# Altium PCB Left_PCB.PcbDoc (continued)
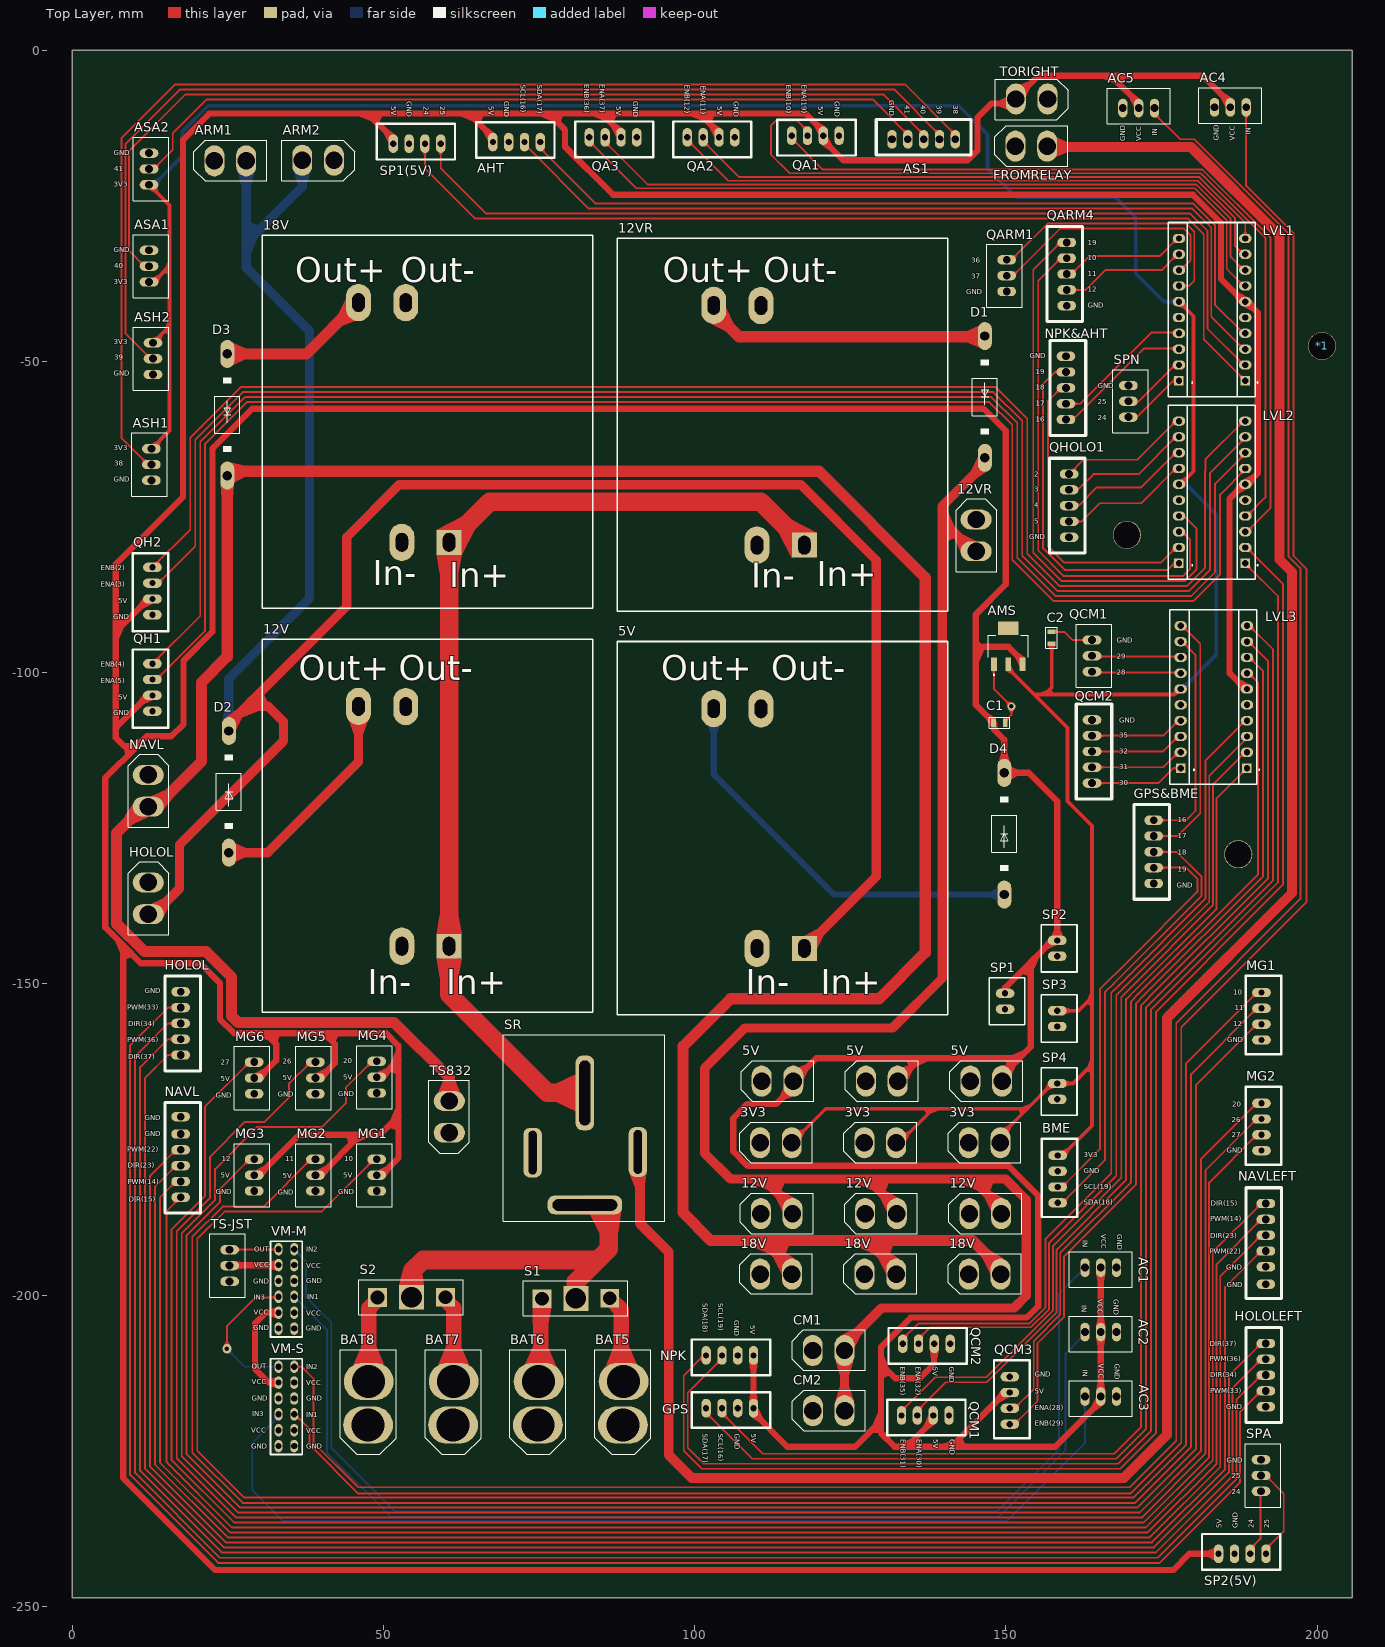
[diagram p0: Top Layer view]
## Nets (pads, with @x,y where several pads share a name; then routed paths per layer and width w, separated by ;. In a path a pad name is that pad's centre, name@x,y a point inside that pad or via, vN(x,y) a via of type N, cw(c..) or ccw(c..) an arc to the next point about the centre after c; other vN are vias at no path point) (continued)
  Bottom Layer w1.5: D2.C 25.152,-100.964 38.106,-88.01 38.106,-45.084 27.925,-34.903 27.925,-30.935 ; ARM1.1 27.925,-30.935 ; ARM2.1 36.943,-21.917 27.925,-30.935
18V-I/P: 18V.4 D3.A | length 24.5
  Top Layer w1.8: D3.A 37.598,-48.767 45.853,-40.512 18V.4
18V-O/P: 18V.1@115.616,-196.615 18V.1@132.38,-196.615 18V.1@149.144,-196.615 D3.C NAVL.1@12.2,-121.517 TS832.1 | length 473.5
  Top Layer w1.8: D3.C 24.88,-68.343 24.88,-97.42 20.73,-101.57 20.73,-114.276 14.189,-120.817 14.179,-120.817 13.479,-121.517 12.2,-121.517 11.3,-121.517 7.09,-125.727 7.09,-140.326 11.572,-144.808 21.492,-144.808 25.59,-148.906 25.59,-155.116 26.644,-156.17 51.7,-156.17 60.566,-165.036 TS832.1 ; D3.C@24.898,-67.823 25.105,-67.616 119.947,-67.616 137.026,-84.695 137.026,-144.974 129.61,-152.39 105.73,-152.39 98.1,-160.02 98.1,-186.739 102.561,-191.2 111.101,-191.2 ; 18V.1@115.616,-196.615 115.616,-195.715 111.101,-191.2 ; 18V.1@132.38,-196.615 132.38,-195.715 127.865,-191.2 ; 18V.1@149.144,-196.615 149.144,-195.715 144.629,-191.2 127.865,-191.2 ; 111.101,-191.2 127.865,-191.2
22I: LVL2.LV1 QHOLO1.1 | length 20.7
  Top Layer w0.3: QHOLO1.1 162.439,-65.785 171.075,-65.785 LVL2.LV1@177.298,-59.562
22O: LVL2.HV1 QH2.4 | length 243.3
  Top Layer w0.3: QH2.4 18.942,-76.984 18.942,-62.216 27.057,-54.101 148.33,-54.101 153.422,-59.193 153.422,-80.851 158.651,-86.08 179.078,-86.08 182.01,-83.148 182.01,-67.562 182.058,-67.514 182.058,-65.71 LVL2.HV1@188.333,-59.435
23I: LVL2.LV2 QHOLO1.2 | length 20.7
  Top Layer w0.3: QHOLO1.2 160.378,-70.386 161.775,-70.386 164.09,-68.071 171.329,-68.071 LVL2.LV2@177.298,-62.102
23O: LVL2.HV2 QH2.3 | length 244
  Top Layer w0.3: QH2.3 13.803,-85.597 19.742,-79.658 19.742,-62.547 27.388,-54.901 147.999,-54.901 152.622,-59.524 152.622,-81.183 158.319,-86.88 179.409,-86.88 182.81,-83.479 182.81,-67.893 LVL2.HV2@188.728,-61.975
24I: LVL2.LV3 QHOLO1.3 | length 20.7
  Top Layer w0.3: QHOLO1.3 160.315,-72.989 161.839,-72.989 164.598,-70.23 171.71,-70.23 LVL2.LV3@177.298,-64.642
24O: LVL2.HV3 QH1.4 | length 253.7
  Top Layer w0.3: QH1.4 20.542,-90.878 20.542,-62.879 27.72,-55.701 147.668,-55.701 151.822,-59.855 151.822,-81.514 157.988,-87.68 179.74,-87.68 183.61,-83.81 183.61,-69.633 LVL2.HV3@188.601,-64.642
25I: LVL2.LV4 QHOLO1.4 | length 20.7
  Top Layer w0.3: QHOLO1.4 162.185,-75.691 165.106,-72.77 171.71,-72.77 LVL2.LV4@177.298,-67.182
25O: LVL2.HV4 QH1.3 | length 254.2
  Top Layer w0.3: QH1.3 13.468,-101.091 21.342,-93.217 21.342,-63.21 28.051,-56.501 147.336,-56.501 151.022,-60.187 151.022,-81.846 157.656,-88.48 180.072,-88.48 184.41,-84.142 184.41,-71.373 LVL2.HV4@188.728,-67.055
30I: LVL2.LV5 QARM1.1 | length 92.3
  Top Layer w0.3: QARM1.1@160.026,-30.352 159.276,-30.352 154.387,-35.241 154.387,-80.685 158.982,-85.28 178.746,-85.28 180.638,-83.388 180.638,-76.872 178.798,-75.032 178.036,-75.032 LVL2.LV5
30O: LVL2.HV5 QA1.3 | length 143.1
  Top Layer w0.3: QA1.3 118.116,-12.965 116.46,-11.309 113.029,-11.309 112.25,-12.088 112.25,-16.73 115.27,-19.75 181.337,-19.75 191.685,-30.098 191.685,-71.823 188.833,-74.675 LVL2.HV5@188.728,-74.675
31I: LVL2.LV6 QARM1.2 | length 83.5
  Top Layer w0.3: QARM1.2@160.026,-32.892 159.276,-32.892 155.187,-36.981 155.187,-80.354 159.313,-84.48 178.415,-84.48 179.584,-83.311 179.584,-78.612 178.314,-77.342 LVL2.LV6
31O: LVL2.HV6 QA1.4 | length 132.7
  Top Layer w0.3: QA1.4 115.576,-14.14 116.287,-14.851 120.586,-19.15 181.586,-19.15 192.485,-30.049 192.485,-73.563 188.833,-77.215 LVL2.HV6@188.728,-77.215
32I: LVL1.LV1 QARM1.3 | length 19.9
  Top Layer w0.3: QARM1.3@160.026,-35.432 161.042,-35.432 163.455,-33.019 174.762,-33.019 177.556,-30.225 LVL1.LV1
32O: LVL1.HV1 QA2.3 | length 95.5
  Top Layer w0.3: QA2.3 101.352,-14.582 107.12,-20.35 181.089,-20.35 188.456,-27.717 188.456,-29.671 188.728,-29.943 LVL1.HV1@188.728,-29.971
33I: LVL1.LV2 QARM1.4 | length 20.4
  Top Layer w0.3: QARM1.4 162.82,-38.48 165.995,-35.305 175.016,-35.305 177.556,-32.765 LVL1.LV2
33O: LVL1.HV2 QA2.4 | length 100.3
  Top Layer w0.3: QA2.4 98.812,-14.394 105.368,-20.95 180.84,-20.95 186.797,-26.907 186.797,-31.356 188.206,-32.765 LVL1.HV2
42I: LVL1.LV3 QARM4.2 | length 39.7
  Top Layer w0.3: QARM4.2 150.304,-36.01 151.32,-36.01 158.712,-28.618 178.608,-28.618 179.67,-29.68 179.67,-33.694 178.059,-35.305 LVL1.LV3
42O: LVL1.HV3 QA3.3 | length 115.7
  Top Layer w0.3: QA3.3 85.604,-14.719 92.435,-21.55 180.592,-21.55 186.09,-27.048 186.09,-33.189 188.206,-35.305 LVL1.HV3
43I: LVL1.LV4 QARM4.1 | length 43.8
  Top Layer w0.3: QARM4.1 150.87,-33.654 156.706,-27.818 178.955,-27.818 180.27,-29.133 180.27,-37.032 179.457,-37.845 LVL1.LV4
43O: LVL1.HV4 QA3.4 | length 120.2
  Top Layer w0.3: QA3.4 83.064,-14.614 90.6,-22.15 180.343,-22.15 185.49,-27.297 185.49,-35.129 188.206,-37.845 LVL1.HV4
44I: LVL3.LV4 QCM1.1@163.836,-99.821 | length 14.3
  Top Layer w0.3: QCM1.1@163.836,-99.821 163.963,-99.948 177.951,-99.948 LVL3.LV4
44O: LVL3.HV4 QCM3.3 | length 136
  Top Layer w0.3: QCM3.3 151.378,-218.185 154.47,-215.093 154.47,-207.374 158.74,-203.104 158.74,-193.208 170.123,-181.825 170.123,-152.774 171.38,-151.517 171.38,-151.506 190.517,-132.369 190.517,-101.614 188.978,-100.075 LVL3.HV4
45I: LVL3.LV3 QCM1.2@163.836,-97.281 | length 14.3
  Top Layer w0.3: QCM1.2@163.836,-97.281 163.963,-97.408 177.951,-97.408 LVL3.LV3
45O: LVL3.HV3 QCM3.4 | length 141.8
  Top Layer w0.3: QCM3.4 151.378,-220.725 155.073,-217.03 155.073,-207.761 159.34,-203.494 159.34,-193.74 170.923,-182.157 170.923,-153.106 172.18,-151.849 172.18,-151.837 191.317,-132.7 191.317,-99.743 189.109,-97.535 LVL3.HV3
46I: LVL3.LV8 QCM2.1@163.836,-117.728 | length 15.2
  Top Layer w0.3: QCM2.1@163.836,-117.728 174.504,-117.728 176.917,-115.315 LVL3.LV8
46O: LVL3.HV8 QCM1.3@135.769,-219.328 | length 129.4
  Top Layer w0.3: QCM1.3@135.769,-219.328 135.769,-218.578 140.353,-213.994 146.888,-213.994 158.14,-202.742 158.14,-192.677 169.323,-181.494 169.323,-152.443 170.58,-151.186 170.58,-151.174 183.86,-137.894 183.86,-120.183 LVL3.HV8@188.474,-115.569
47I: LVL3.LV7 QCM2.2@163.836,-115.188 | length 15.2
  Top Layer w0.3: QCM2.2@163.836,-115.188 175.266,-115.188 177.679,-112.775 LVL3.LV7
47O: LVL3.HV7 QCM1.4 | length 134.1
  Top Layer w0.3: QCM1.4 133.229,-218.578 138.613,-213.194 146.84,-213.194 157.54,-202.494 157.54,-192.122 168.523,-181.139 168.523,-152.111 169.78,-150.854 169.78,-150.843 183.26,-137.363 183.26,-117.993 188.086,-113.167 188.202,-113.283 LVL3.HV7@188.474,-113.283
48I: LVL3.LV6 QCM2.3@163.836,-112.648 | length 15.2
  Top Layer w0.3: QCM2.3@163.836,-112.648 175.266,-112.648 177.679,-110.235 LVL3.LV6
48O: LVL3.HV6 QCM2.3@135.96,-207.82 | length 127.6
  Top Layer w0.3: QCM2.3@135.896,-206.882 136.148,-206.882 137.87,-205.16 154.025,-205.16 156.94,-202.245 156.94,-191.591 167.723,-180.808 167.723,-151.78 168.98,-150.523 168.98,-150.511 182.66,-136.831 182.66,-116.557 188.248,-110.969 188.248,-110.789 188.295,-110.743 LVL3.HV6@188.474,-110.743
49I: LVL3.LV5 QCM2.4@163.836,-110.108 | length 15.2
  Top Layer w0.3: QCM2.4@163.836,-110.108 175.266,-110.108 177.679,-107.695 LVL3.LV5
49O: LVL3.HV5 QCM2.4@133.42,-207.82 | length 132.5
  Top Layer w0.3: QCM2.4@133.356,-206.882 133.608,-206.882 135.93,-204.56 153.777,-204.56 156.34,-201.997 156.34,-191.01 166.923,-180.427 166.923,-151.449 168.18,-150.192 168.18,-150.18 182.06,-136.3 182.06,-114.113 188.086,-108.087 188.202,-108.203 LVL3.HV5@188.474,-108.203
A0: AS1.1 ASH1.2 | length 196.4
  Top Layer w0.3: ASH1.2 12.198,-66.547 7.88,-62.229 7.88,-14.096 16.516,-5.46 133.784,-5.46 141.865,-13.541 AS1.1
A1: AS1.2 ASH2.2 | length 174.7
  Top Layer w0.3: ASH2.2 12.535,-49.529 11.846,-48.84 11.846,-48.796 8.52,-45.47 8.52,-15.107 17.354,-6.273 132.058,-6.273 139.325,-13.541 AS1.2
A2: AS1.3 ASA1.2 | length 155.1
  Top Layer w0.3: ASA1.2 11.69,-34.67 11.575,-34.67 9.12,-32.215 9.12,-16.135 18.182,-7.073 130.317,-7.073 136.785,-13.541 AS1.3
A3: AS1.4 ASA2.2 | length 131.2
  Top Layer w0.3: ASA2.2 13.075,-19.049 16.135,-15.989 16.135,-13.305 21.567,-7.873 128.577,-7.873 134.245,-13.541 AS1.4
A10,24: SP2(5V).3 SPA.1 | length 10.8
  Top Layer w0.3: 189.256,-241.555 189.256,-240.805 190.887,-239.174 190.887,-231.615 SPA.1
A11,25: SP2(5V).4 SPA.2 | length 15.7
  Top Layer w0.3: SPA.2 191.737,-228.975 194.65,-231.888 194.65,-237.906 191.796,-240.76 191.796,-241.555
AVCC: TS-JST.2 VM-M.8 | length 8
  Top Layer w1: TS-JST.2@25.34,-195.32 TS-JST.2 25.31,-195.21 33.1,-195.21 VM-M.8
BAT5: BAT5.1 S1.1 | length 14.3
  Top Layer w2.5: S1.1 86.729,-200.87 86.729,-200.883 88.192,-202.346 88.192,-213.504 BAT5.1
BAT6: BAT6.1 S1.3 | length 13.5
  Top Layer w2.5: BAT6.1 75.253,-213.538 75.253,-200.78 S1.3
BAT7: BAT7.1 S2.1 | length 14.1
  Top Layer w2.5: S2.1 60.194,-200.585 60.194,-200.989 61.268,-202.063 BAT7.1
BAT8: BAT8.1 S2.3 | length 14.1
  Top Layer w2.5: BAT8.1 47.652,-213.843 47.652,-202.104 48.794,-200.962 48.794,-200.635 S2.3
BVCC: VM-M.11 VM-S.8 | length 16.5
  Top Layer w1: VM-S.8 31.54,-214.05 29.37,-211.88 29.37,-204.51 31.06,-202.82 VM-M.11
D2: S1.2 S2.2 SR.2 | length 55.8
  Top Layer w3: S2.2 54.626,-200.203 54.626,-196.103 56.384,-194.346 84.423,-194.346 ; S1.2 80.921,-197.847 84.423,-194.346 ; SR.2 86.18,-185.51 86.18,-192.588 84.423,-194.346
DH(14): HOLOL.3 HOLOLEFT.3 | length 283.4
  Top Layer w0.3: HOLOL.3 15.373,-156.336 10.084,-161.625 10.084,-228.553 23.718,-242.187 174.39,-242.187 187.03,-229.547 187.03,-216.827 191.011,-212.846 HOLOLEFT.3
DH(36): HOLOL.1@17.405,-161.416 HOLOLEFT.1 | length 278
  Top Layer w0.3: HOLOL.1@17.405,-161.416 15.373,-161.416 11.684,-165.105 11.684,-227.891 24.323,-240.53 173.784,-240.53 185.83,-228.484 185.83,-212.947 191.011,-207.766 HOLOLEFT.1
DN(3): NAVL.1@17.405,-184.276 NAVLEFT.1 | length 265.6
  Top Layer w0.3: NAVL.1@17.405,-184.276 15.119,-186.562 15.119,-226.8 25.649,-237.33 172.458,-237.33 183.24,-226.548 183.24,-193.058 191.011,-185.287 NAVLEFT.1
DN(5): NAVL.3 NAVLEFT.3 | length 271.6
  Top Layer w0.3: NAVL.3 16.655,-179.196 13.284,-182.567 13.284,-227.228 24.986,-238.93 173.121,-238.93 184.44,-227.611 184.44,-196.938 191.011,-190.367 NAVLEFT.3
GND: 3V3.2 5V.2 5V.3 12V.2 12V.3 12VR.2 12VR.3 18V.2 18V.3 AC1.3 AC2.3 AC3.3 AC4.3 AC5.3 AHT.2 AMS.1 ARM1.2 ARM2.2 AS1.5 ASA1.3 ASA2.3 ASH1.3 ASH2.3 BAT5.2 BAT6.2 BAT7.2 BAT8.2 BME.2 C1.2 C2.2 CM1.2 CM2.2 FROMRELAY.2 GPS&BME.5 GPS.2 HOLOL.2@12.2,-133.689 HOLOL.5 HOLOLEFT.5 LVL1.GND LVL2.GND LVL3.GND MG1.3@48.901,-183.26 MG1.4 MG2.3@39.058,-183.26 MG2.4 MG3.3 MG4.3 MG5.3 MG6.3 NAVL.2@12.2,-116.417 NAVL.5 NAVL.6 NAVLEFT.5 NAVLEFT.6 NPK&AHT.5 NPK.2 QA1.1 QA2.1 QA3.1 QARM1.5 QARM4.3 QCM1.1@140.849,-219.328 QCM1.3@163.836,-94.741 QCM2.1@141.04,-207.82 QCM2.5 QCM3.1 QH1.1 QH2.1 QHOLO1.5 SP1(5V).2 SP1.2 SP2(5V).2 SP2.2 SP3.2 SP4.2 SPA.3 SPN.3 SR.4 TORIGHT.2 TS832.2 TS-JST.3 VM-M.6 VM-M.9 VM-M.12 VM-S.3 VM-S.6 VM-S.9 VM-S.12 | length 18
  Top Layer w0.3: AMS.1 148.074,-102.601 v2(150.882,-105.409) 150.882,-106.785 149.91,-107.757 C1.2 ; C2.2 159.404,-93.427 160.718,-94.741 QCM1.3@163.836,-94.741
INA1: AC2.1 VM-M.4 | length 174.9
  Bottom Layer w0.3: VM-M.4 35.64,-200.388 36.17,-200.918 36.288,-200.918 40.914,-205.544 40.914,-225.314 51.2,-235.6 148.88,-235.6 159.6,-224.88 159.6,-209.393 161.955,-207.038 162.011,-207.038 162.694,-206.355 AC2.1
INA2: AC1.1 VM-M.1 | length 191.1
  Top Layer w0.254: VM-M.1 35.64,-192.73 VM-M.1@35.72,-192.81
  Bottom Layer w0.3: VM-M.1 35.64,-192.738 37.55,-194.648 37.55,-200.35 41.593,-204.393 41.593,-224.523 51.81,-234.74 148.61,-234.74 158.53,-224.82 158.53,-199.743 161.77,-196.503 162.14,-196.503 162.694,-195.948 AC1.1
INB1: AC3.1 VM-S.10 | length 162.4
  Bottom Layer w0.3: VM-S.10 33.14,-219.525 28.91,-223.755 28.91,-231.36 33.82,-236.27 150.196,-236.27 162.678,-223.788 162.678,-216.296 AC3.1
INB2: AC5.1 VM-S.1 | length 392.3
  Top Layer w0.3: VM-S.1 36.85,-211.5 38.75,-213.4 38.75,-223.7 45.919,-230.869 169.868,-230.869 177.363,-223.374 177.363,-156.297 197.32,-136.34 197.32,-83.189 195.385,-81.254 195.385,-29.414 180.241,-14.27 177.98,-14.27 173.869,-10.159 AC5.1
INB3: AC4.1 VM-S.4 | length 379.5
  Top Layer w0.3: VM-S.4@35.72,-219.15 38.11,-221.54 38.11,-224.06 45.929,-231.879 169.99,-231.879 178.163,-223.706 178.163,-156.967 198.27,-136.86 198.27,-83.29 196.221,-81.241 196.221,-29.401 188.601,-21.781 AC4.1
OUTA: TS-JST.1 VM-M.7 | length 7.9
  Top Layer w0.3: TS-JST.1 25.315,-192.665 33.095,-192.665 VM-M.7
OUTB: VM-M.10 VM-S.7 | length 23.5
  Top Layer w0.3: v1(24.84,-208.62) 24.84,-204.97 29.46,-200.35 33.06,-200.35 VM-M.10
  Bottom Layer w0.3: v1(24.84,-208.62) 27.72,-211.5 VM-S.7@33.22,-211.5
PH(15): HOLOL.4 HOLOLEFT.4 | length 286
  Top Layer w0.3: HOLOL.4 15.373,-153.796 9.284,-159.885 9.284,-228.885 23.419,-243.02 174.688,-243.02 187.63,-230.078 187.63,-218.767 191.011,-215.386 HOLOLEFT.4
PH(37): HOLOL.2@17.405,-158.876 HOLOLEFT.2 | length 280.7
  Top Layer w0.3: HOLOL.2@17.405,-158.876 15.373,-158.876 10.884,-163.365 10.884,-228.222 23.993,-241.331 174.114,-241.331 186.43,-229.015 186.43,-214.887 191.011,-210.306 HOLOLEFT.2
PMG(10): MG1.1 | length 311.8
  Top Layer w0.3: MG1.1@48.901,-178.18 48.476,-178.18 40.094,-186.562 24.47,-186.562 20.072,-190.96 20.072,-224.965 27.637,-232.53 170.47,-232.53 178.963,-224.037 178.963,-162.731 190.317,-151.378 MG1.1@191.067,-151.378
PMG(11): MG1.2@191.067,-153.918 MG2.1@39.058,-178.18 | length 302.8
  Top Layer w0.3: MG2.1@39.058,-178.18 38.309,-178.18 30.726,-185.762 24.139,-185.762 19.272,-190.629 19.272,-225.296 27.355,-233.379 170.753,-233.379 179.763,-224.369 179.763,-164.471 190.317,-153.918 MG1.2@191.067,-153.918
PMG(12): MG1.3@191.067,-156.458 MG3.1 | length 295
  Top Layer w0.3: MG3.1 28.466,-178.18 23.742,-182.904 23.742,-185.028 18.37,-190.4 18.37,-225.526 26.974,-234.13 171.133,-234.13 180.563,-224.7 180.563,-166.211 190.317,-156.458 MG1.3@191.067,-156.458
PMG(20): MG2.1@191.067,-169.158 MG4.1 | length 314.9
  Top Layer w0.3: MG4.1 48.151,-162.432 43.948,-166.635 43.948,-169.163 40.138,-172.973 29.724,-172.973 22.942,-179.755 22.942,-184.696 17.57,-190.068 17.57,-225.857 26.643,-234.93 171.464,-234.93 181.363,-225.031 181.363,-178.111 190.317,-169.158 MG2.1@191.067,-169.158
PMG(26): MG2.2@191.067,-171.698 MG5.1 | length 306.6
  Top Layer w0.3: MG5.1 38.309,-162.559 34.804,-166.064 34.804,-168.256 30.887,-172.173 27.73,-172.173 22.142,-177.761 22.142,-184.365 16.77,-189.737 16.77,-226.188 26.312,-235.73 171.796,-235.73 182.04,-225.486 182.04,-179.974 190.317,-171.698 MG2.2@191.067,-171.698
PMG(27): MG2.3@191.067,-174.238 MG6.1 | length 300.8
  Top Layer w0.3: MG6.1 28.466,-162.559 21.342,-169.683 21.342,-184.022 15.949,-189.415 15.949,-226.499 25.98,-236.53 172.127,-236.53 182.64,-226.017 182.64,-181.915 190.317,-174.238 MG2.3@191.067,-174.238
PN(2): NAVL.2@17.405,-181.736 NAVLEFT.2 | length 268.9
  Top Layer w0.3: NAVL.2@17.405,-181.736 16.655,-181.736 14.084,-184.307 14.084,-226.896 25.318,-238.13 172.79,-238.13 183.84,-227.08 183.84,-194.998 191.011,-187.827 NAVLEFT.2
PN(4): NAVL.4 NAVLEFT.4 | length 274.2
  Top Layer w0.3: NAVL.4 16.655,-176.656 12.484,-180.827 12.484,-227.559 24.655,-239.73 173.453,-239.73 185.23,-227.953 185.23,-198.688 191.011,-192.907 NAVLEFT.4
S-SW: FROMRELAY.1 SR.3 | length 380.3
  Top Layer w1.6: SR.3 91.18,-177.3 91.18,-188.44 95.83,-193.09 95.83,-225.69 99.489,-229.349 168.956,-229.349 175.848,-222.457 175.848,-155.5 195.967,-135.381 195.967,-83.819 193.935,-81.787 193.935,-29.731 179.764,-15.56 156.81,-15.56 FROMRELAY.1
SCL_AHT(19): LVL1.LV6 NPK&AHT.1 | length 22.4
  Top Layer w0.3: NPK&AHT.1 160.72,-59.308 161.072,-58.956 161.14,-58.956 172.218,-47.878 LVL1.LV6@177.298,-47.878
SCL_AHTO(19): AHT.3 LVL1.HV6 | length 138.2
  Top Layer w0.3: AHT.3 72.65,-15.156 73.333,-15.839 73.389,-15.839 82.968,-25.418 179.949,-25.418 182.99,-28.459 182.99,-42.775 188.22,-48.005 LVL1.HV6
SCL_BME(19): BME.3 GPS&BME.4 | length 67
  Top Layer w0.3: BME.3 159.01,-182.625 165.106,-176.529 165.106,-150.875 169.72,-146.261 180.78,-135.201 180.78,-133.1 178.997,-131.317 GPS&BME.4
SCL_DS1(16): LVL2.LV7 NPK&AHT.3 | length 49.7
  Top Layer w0.3: NPK&AHT.3 158.895,-54.228 156.787,-56.336 156.787,-79.691 159.391,-82.295 174.885,-82.295 LVL2.LV7@177.298,-79.882
SCL_DS1O(16): LVL2.HV8 NPK.3 | length 244.4
  Top Layer w0.3: NPK.3 104.373,-210.211 98.88,-215.704 98.88,-224.488 101.482,-227.09 168.033,-227.09 173.323,-221.8 173.323,-154.1 174.617,-152.806 174.617,-152.794 193.717,-133.694 193.717,-87.683 LVL2.HV8@188.728,-82.694
SCL_DS2(16): GPS&BME.1 LVL3.LV2 | length 35.6
  Top Layer w0.3: GPS&BME.1 178.949,-123.697 180.435,-122.211 180.435,-97.102 178.328,-94.995 LVL3.LV2
SCL_DSO(16): GPS.3 LVL3.HV2 | length 208.8
  Top Layer w0.3: GPS.3 104.373,-218.908 110.955,-225.49 167.37,-225.49 171.723,-221.137 171.723,-153.437 172.98,-152.18 172.98,-152.168 192.117,-133.031 192.117,-98.13 188.982,-94.995 LVL3.HV2
SDA_AHT(18): LVL1.LV5 NPK&AHT.2 | length 22.4
  Top Layer w0.3: NPK&AHT.2 161.931,-56.768 173.361,-45.338 LVL1.LV5@177.298,-45.338
SDA_AHTO(18): AHT.4 LVL1.HV5 | length 134
  Top Layer w0.3: AHT.4 75.19,-15.7 84.108,-24.618 180.124,-24.618 183.59,-28.084 183.59,-40.849 188.206,-45.465 LVL1.HV5
SDA_BME(18): BME.4 GPS&BME.3 | length 71.7
  Top Layer w0.3: BME.4 159.063,-185.165 165.906,-178.323 165.906,-151.334 167.38,-149.86 167.38,-149.849 181.43,-135.799 181.43,-132.8 177.407,-128.777 GPS&BME.3
SDA_DS1(17): LVL2.LV8 NPK&AHT.4 | length 54.2
  Top Layer w0.3: NPK&AHT.4 157.867,-51.688 155.987,-53.568 155.987,-80.022 159.441,-83.476 175.99,-83.476 LVL2.LV8@177.298,-82.168
SDA_DS1O(17): LVL2.HV7 NPK.4 | length 249.2
  Top Layer w0.3: NPK.4@101.479,-209.676 98.24,-212.915 98.24,-224.979 101.151,-227.89 168.364,-227.89 174.123,-222.131 174.123,-154.431 190.379,-138.175 190.379,-138.163 194.517,-134.025 194.517,-85.693 LVL2.HV7@188.728,-79.904
SDA_DS2(17): GPS&BME.2 LVL3.LV1 | length 40.6
  Top Layer w0.3: GPS&BME.2 177.54,-126.237 181.235,-122.542 181.235,-95.362 178.328,-92.455 LVL3.LV1
SDA_DSO(17): GPS.4 LVL3.HV1 | length 215.9
  Top Layer w0.3: GPS.4 101.833,-218.908 109.215,-226.29 167.702,-226.29 172.523,-221.469 172.523,-153.768 173.817,-152.474 173.817,-152.462 192.917,-133.363 192.917,-96.263 189.109,-92.455 LVL3.HV1
SPN(24): LVL1.LV8 SPN.1 | length 10.2
  Top Layer w0.3: SPN.1 169.812,-58.793 171.209,-58.793 LVL1.LV8@177.298,-52.704
SPN(25): LVL1.LV7 SPN.2 | length 10.1
  Top Layer w0.3: SPN.2 171.329,-56.387 LVL1.LV7@177.298,-50.418
SPNO(24): LVL1.HV8 SP1(5V).3 | length 159.8
  Top Layer w0.3: 56.648,-14.985 56.648,-18.922 64.744,-27.018 179.286,-27.018 181.79,-29.522 181.79,-46.419 187.841,-52.47 LVL1.HV8
SPNO(25): LVL1.HV7 SP1(5V).4 | length 155.5
  Top Layer w0.3: 59.188,-14.985 59.188,-18.922 66.484,-26.218 179.618,-26.218 182.39,-28.99 182.39,-44.729 188.206,-50.545 LVL1.HV7
SR-O/P: 12V.1@60.534,-143.939 12VR.1@117.608,-79.501 18V.1@60.534,-79.042 SR.1 | length 163.7
  Top Layer w3: SR.1 82.35,-167.48 76.32,-167.48 60.534,-151.694 60.534,-143.939 60.534,-79.042 67.061,-72.516 110.623,-72.516 12VR.1@117.608,-79.501
pads on no net: *1.1 AMS.4 VM-M.3 VM-M.5 VM-S.5

## Polygon pours and split planes (outlines as drawn)
GND on Bottom Layer "Bottom Layer-GND" (solid, pour order 6): 0.6,-0.47 205.12,-0.47 205.12,-247.98 0.5,-247.98 0.5,-0.57
no net on Bottom Layer "NONET_L02_P005" (solid, pour order 5): 13.849,-3.428
no net on Bottom Layer "NONET_L02_P004" (solid, remove dead copper, pour order 4): 1.149,-6.349
no net on Bottom Layer "NONET_L02_P002" (solid, pour order 2): 197.872,-246.379
no net on Bottom Layer "NONET_L02_P000" (solid, pour order 0): 6.229,-3.809

## Silkscreen, mask and mechanical layers (free items; w line width, h text height)
Top Overlay:
  text "ENB(36)" at 82.246,-5.402 h0.8 r270
  text "ENA(37)" at 84.758,-5.402 h0.8 r270
  text "SCL(16)" at 72.058,-5.536 h0.8 r270
  text "SDA(17)" at 74.725,-5.536 h0.8 r270
  text "ENB(12)" at 98.427,-5.536 h0.8 r270
  text "ENB(10)" at 114.683,-5.536 h0.8 r270
  text "ENA(19)" at 117.195,-5.536 h0.8 r270
  text "ENA(11)" at 100.939,-5.669 h0.8 r270
  text "GND" at 131.24,-8.005 h0.8 r270
  text "GND" at 53.77,-8.201 h0.8 r270
  text "GND" at 69.391,-8.201 h0.8 r270
  text "GND" at 90.092,-8.201 h0.8 r270
  text "GND" at 106.273,-8.201 h0.8 r270
  text "GND" at 122.529,-8.201 h0.8 r270
  text "41" at 133.78,-8.805 h0.8 r270
  text "40" at 136.32,-8.805 h0.8 r270
  text "39" at 138.86,-8.805 h0.8 r270
  text "38" at 141.527,-8.805 h0.8 r270
  text "5V" at 51.258,-9.001 h0.8 r270
  text "24" at 56.437,-9.001 h0.8 r270
  text "25" at 59.104,-9.001 h0.8 r270
  text "5V" at 66.879,-9.001 h0.8 r270
  text "5V" at 87.425,-9.001 h0.8 r270
  text "5V" at 103.606,-9.001 h0.8 r270
  text "5V" at 119.862,-9.001 h0.8 r270
  text "IN" at 189.329,-13.551 h0.8 r90
  text "IN" at 174.343,-13.678 h0.8 r90
  text "GND" at 184.183,-14.484 h0.8 r90
  text "VCC" at 186.756,-14.484 h0.8 r90
  text "GND" at 169.197,-14.611 h0.8 r90
  text "VCC" at 171.77,-14.611 h0.8 r90
  text "GND" at 6.633,-16.847 h0.8
  text "41" at 6.766,-19.387 h0.8
  text "3V3" at 6.633,-21.927 h0.8
  text "19" at 163.117,-31.325 h0.8
  text "GND" at 6.633,-32.468 h0.8
  text "10" at 163.117,-33.738 h0.8
  text "36" at 144.396,-34.119 h0.8
  text "40" at 6.766,-35.008 h0.8
  text "11" at 163.117,-36.278 h0.8
  text "37" at 144.396,-36.659 h0.8
  text "Out+" at 35.848,-37.218 h4
  text "Out-" at 52.739,-37.218 h4
  text "Out+" at 94.903,-37.218 h4
  text "Out-" at 111.032,-37.218 h4
  text "3V3" at 6.633,-37.548 h0.8
  text "12" at 163.117,-38.818 h0.8
  text "GND" at 143.597,-39.199 h0.8
  text "GND" at 163.117,-41.358 h0.8
  text "3V3" at 6.633,-47.2 h0.8
  text "GND" at 153.846,-49.486 h0.8
  text "39" at 6.766,-49.74 h0.8
  text "19" at 154.779,-52.026 h0.8
  text "GND" at 6.633,-52.28 h0.8
  text "GND" at 164.768,-54.312 h0.8
  text "18" at 154.779,-54.566 h0.8
  text "25" at 164.768,-56.852 h0.8
  text "17" at 154.779,-57.106 h0.8
  text "24" at 164.768,-59.392 h0.8
  text "16" at 154.779,-59.646 h0.8
  text "3V3" at 6.633,-64.218 h0.8
  text "38" at 6.766,-66.758 h0.8
  text "2" at 154.556,-68.536 h0.8
  text "GND" at 6.633,-69.298 h0.8
  text "3" at 154.556,-70.949 h0.8
  text "4" at 154.556,-73.489 h0.8
  text "5" at 154.556,-76.029 h0.8
  text "GND" at 153.719,-78.569 h0.8
  text "ENB(2)" at 4.569,-83.522 h0.8
  text "In-" at 48.245,-85.971 h4
  text "In+" at 119.619,-86.113 h4
  text "ENA(3)" at 4.569,-86.189 h0.8
  text "In+" at 60.564,-86.24 h4
  text "In-" at 109.078,-86.352 h4
  text "5V" at 7.369,-88.856 h0.8
  text "GND" at 6.569,-91.368 h0.8
  text "GND" at 167.816,-95.206 h0.8
  text "29" at 167.816,-97.746 h0.8
  text "ENB(4)" at 4.569,-99.016 h0.8
  text "28" at 167.816,-100.286 h0.8
  text "Out+" at 36.356,-101.226 h4
  text "Out-" at 52.485,-101.226 h4
  text "Out+" at 94.649,-101.226 h4
  text "Out-" at 112.302,-101.226 h4
  text "ENA(5)" at 4.569,-101.683 h0.8
  text "5V" at 7.369,-104.35 h0.8
  text "GND" at 6.569,-106.862 h0.8
  text "GND" at 168.197,-108.033 h0.8
  text "35" at 168.197,-110.446 h0.8
  text "32" at 168.197,-112.986 h0.8
  text "31" at 168.197,-115.526 h0.8
  text "30" at 168.197,-118.066 h0.8
  text "16" at 177.595,-124.035 h0.8
  text "17" at 177.595,-126.575 h0.8
  text "18" at 177.595,-129.242 h0.8
  text "19" at 177.595,-131.96 h0.8
  text "GND" at 177.468,-134.576 h0.8
  text "GND" at 11.611,-151.467 h0.8
  text "In-" at 47.483,-151.645 h4
  text "In+" at 60.056,-151.645 h4
  text "In-" at 108.189,-151.645 h4
  text "In+" at 120.254,-151.645 h4
  text "10" at 186.514,-151.716 h0.8
  text "PWM(33)" at 8.812,-154.134 h0.8
  text "11" at 186.781,-154.259 h0.8
  text "DIR(34)" at 8.945,-156.801 h0.8
  text "12" at 186.514,-156.802 h0.8
  text "PWM(36)" at 8.812,-159.341 h0.8
  text "GND" at 185.581,-159.345 h0.8
  text "DIR(37)" at 8.945,-162.135 h0.8
  text "20" at 43.55,-162.716 h0.8
  text "26" at 33.838,-162.804 h0.8
  text "27" at 23.865,-162.97 h0.8
  text "5V" at 43.55,-165.383 h0.8
  text "5V" at 33.838,-165.471 h0.8
  text "5V" at 23.865,-165.637 h0.8
  text "GND" at 42.75,-168.05 h0.8
  text "GND" at 33.038,-168.138 h0.8
  text "GND" at 23.065,-168.304 h0.8
  text "20" at 186.381,-169.75 h0.8
  text "GND" at 11.605,-171.914 h0.8
  text "26" at 186.259,-172.205 h0.8
  text "GND" at 11.605,-174.454 h0.8
  text "27" at 186.259,-174.661 h0.8
  text "PWM(22)" at 8.806,-176.994 h0.8
  text "GND" at 185.459,-177.116 h0.8
  text "3V3" at 162.482,-177.883 h0.8
  text "12" at 23.998,-178.464 h0.8
  text "10" at 43.683,-178.464 h0.8
  text "11" at 34.199,-178.511 h0.8
  text "DIR(23)" at 8.939,-179.534 h0.8
  text "GND" at 162.482,-180.423 h0.8
  text "5V" at 23.865,-181.131 h0.8
  text "5V" at 43.55,-181.131 h0.8
  text "5V" at 33.799,-181.178 h0.8
  text "PWM(14)" at 8.939,-182.201 h0.8
  text "SCL(19)" at 162.482,-182.963 h0.8
  text "GND" at 23.065,-183.798 h0.8
  text "GND" at 42.75,-183.798 h0.8
  text "GND" at 33,-183.845 h0.8
  text "DIR(15)" at 9.072,-184.995 h0.8
  text "SDA(18)" at 162.482,-185.503 h0.8
  text "DIR(15)" at 182.927,-185.625 h0.8
  text "PWM(14)" at 182.793,-188.165 h0.8
  text "VCC" at 165.3,-190.238 h0.8 r270
  text "GND" at 167.873,-190.238 h0.8 r270
  text "DIR(23)" at 182.793,-190.832 h0.8
  text "IN" at 162.347,-191.171 h0.8 r270
  text "IN2" at 37.62,-192.99 h0.8
  text "OUT" at 29.2,-193.01 h0.8
  text "PWM(22)" at 182.78,-193.38 h0.8
  text "VCC" at 29.2,-195.54 h0.8
  text "VCC" at 37.58,-195.64 h0.8
  text "GND" at 185.44,-195.93 h0.8
  text "GND" at 37.62,-198.09 h0.8
  text "GND" at 29.05,-198.16 h0.8
  text "GND" at 185.459,-198.706 h0.8
  text "IN1" at 37.75,-200.66 h0.8
  text "VCC" at 164.793,-200.652 h0.8 r270
  text "GND" at 167.366,-200.652 h0.8 r270
  text "IN3" at 29.17,-200.76 h0.8
  text "SDA(18)" at 101.268,-201.337 h0.8 r270
  text "SCL(19)" at 103.808,-201.337 h0.8 r270
  text "IN" at 162.22,-201.585 h0.8 r270
  text "VCC" at 29.15,-203.18 h0.8
  text "VCC" at 37.6,-203.3 h0.8
  text "GND" at 106.348,-204.003 h0.8 r270
  text "5V" at 108.888,-204.803 h0.8 r270
  text "GND" at 29.06,-205.63 h0.8
  text "GND" at 37.53,-205.76 h0.8
  text "DIR(37)" at 182.79,-208.18 h0.8
  text "PWM(36)" at 182.79,-210.62 h0.8
  text "VCC" at 164.905,-211.041 h0.8 r270
  text "GND" at 167.478,-211.041 h0.8 r270
  text "ENB(35)" at 133.028,-211.518 h0.8 r270
  text "ENA(32)" at 135.54,-211.518 h0.8 r270
  text "5V" at 138.207,-211.518 h0.8 r270
  text "GND" at 140.874,-211.518 h0.8 r270
  text "OUT" at 28.85,-211.81 h0.8
  text "IN2" at 37.62,-211.91 h0.8
  text "IN" at 162.332,-211.974 h0.8 r270
  text "GND" at 154.647,-213.137 h0.8
  text "DIR(34)" at 182.87,-213.23 h0.8
  text "VCC" at 28.81,-214.33 h0.8
  text "VCC" at 37.62,-214.456 h0.8
  text "5V" at 154.647,-215.804 h0.8
  text "PWM(33)" at 182.8,-215.79 h0.8
  text "GND" at 28.81,-216.94 h0.8
  text "GND" at 37.62,-216.97 h0.8
  text "GND" at 185.42,-218.33 h0.8
  text "ENA(28)" at 154.647,-218.471 h0.8
  text "IN3" at 28.92,-219.45 h0.8
  text "IN1" at 37.62,-219.63 h0.8
  text "ENB(29)" at 154.647,-220.983 h0.8
  text "VCC" at 28.77,-222.07 h0.8
  text "VCC" at 37.62,-222.176 h0.8
  text "SDA(17)" at 101.263,-222.261 h0.8 r270
  text "SCL(16)" at 103.774,-222.261 h0.8 r270
  text "GND" at 106.441,-222.261 h0.8 r270
  text "5V" at 109.108,-222.261 h0.8 r270
  text "ENB(31)" at 133.14,-223.15 h0.8 r270
  text "ENA(30)" at 135.651,-223.15 h0.8 r270
  text "5V" at 138.318,-223.15 h0.8 r270
  text "GND" at 140.985,-223.15 h0.8 r270
  text "GND" at 28.75,-224.64 h0.8
  text "GND" at 37.62,-224.69 h0.8
  text "GND" at 185.459,-226.9 h0.8
  text "25" at 186.259,-229.44 h0.8
  text "24" at 186.259,-231.98 h0.8
  text "5V" at 184.705,-237.413 h0.8 r90
  text "GND" at 187.245,-237.413 h0.8 r90
  text "24" at 189.785,-237.413 h0.8 r90
  text "25" at 192.325,-237.413 h0.8 r90